# Altium PCB PCB-2-Layer_(1).PcbDoc (part 1 of 2)
Units mm, origin at the board's own origin, x right, y up, seen from the top; angles counter-clockwise.
Board outline 103.78 x 88.75 mm, 2 copper layers (Top Layer, Bottom Layer), stack 1.535 mm thick; 124 components, 78 nets, 479 pads, 495 vias.
Unrouted connection lines stored in the file: 106.
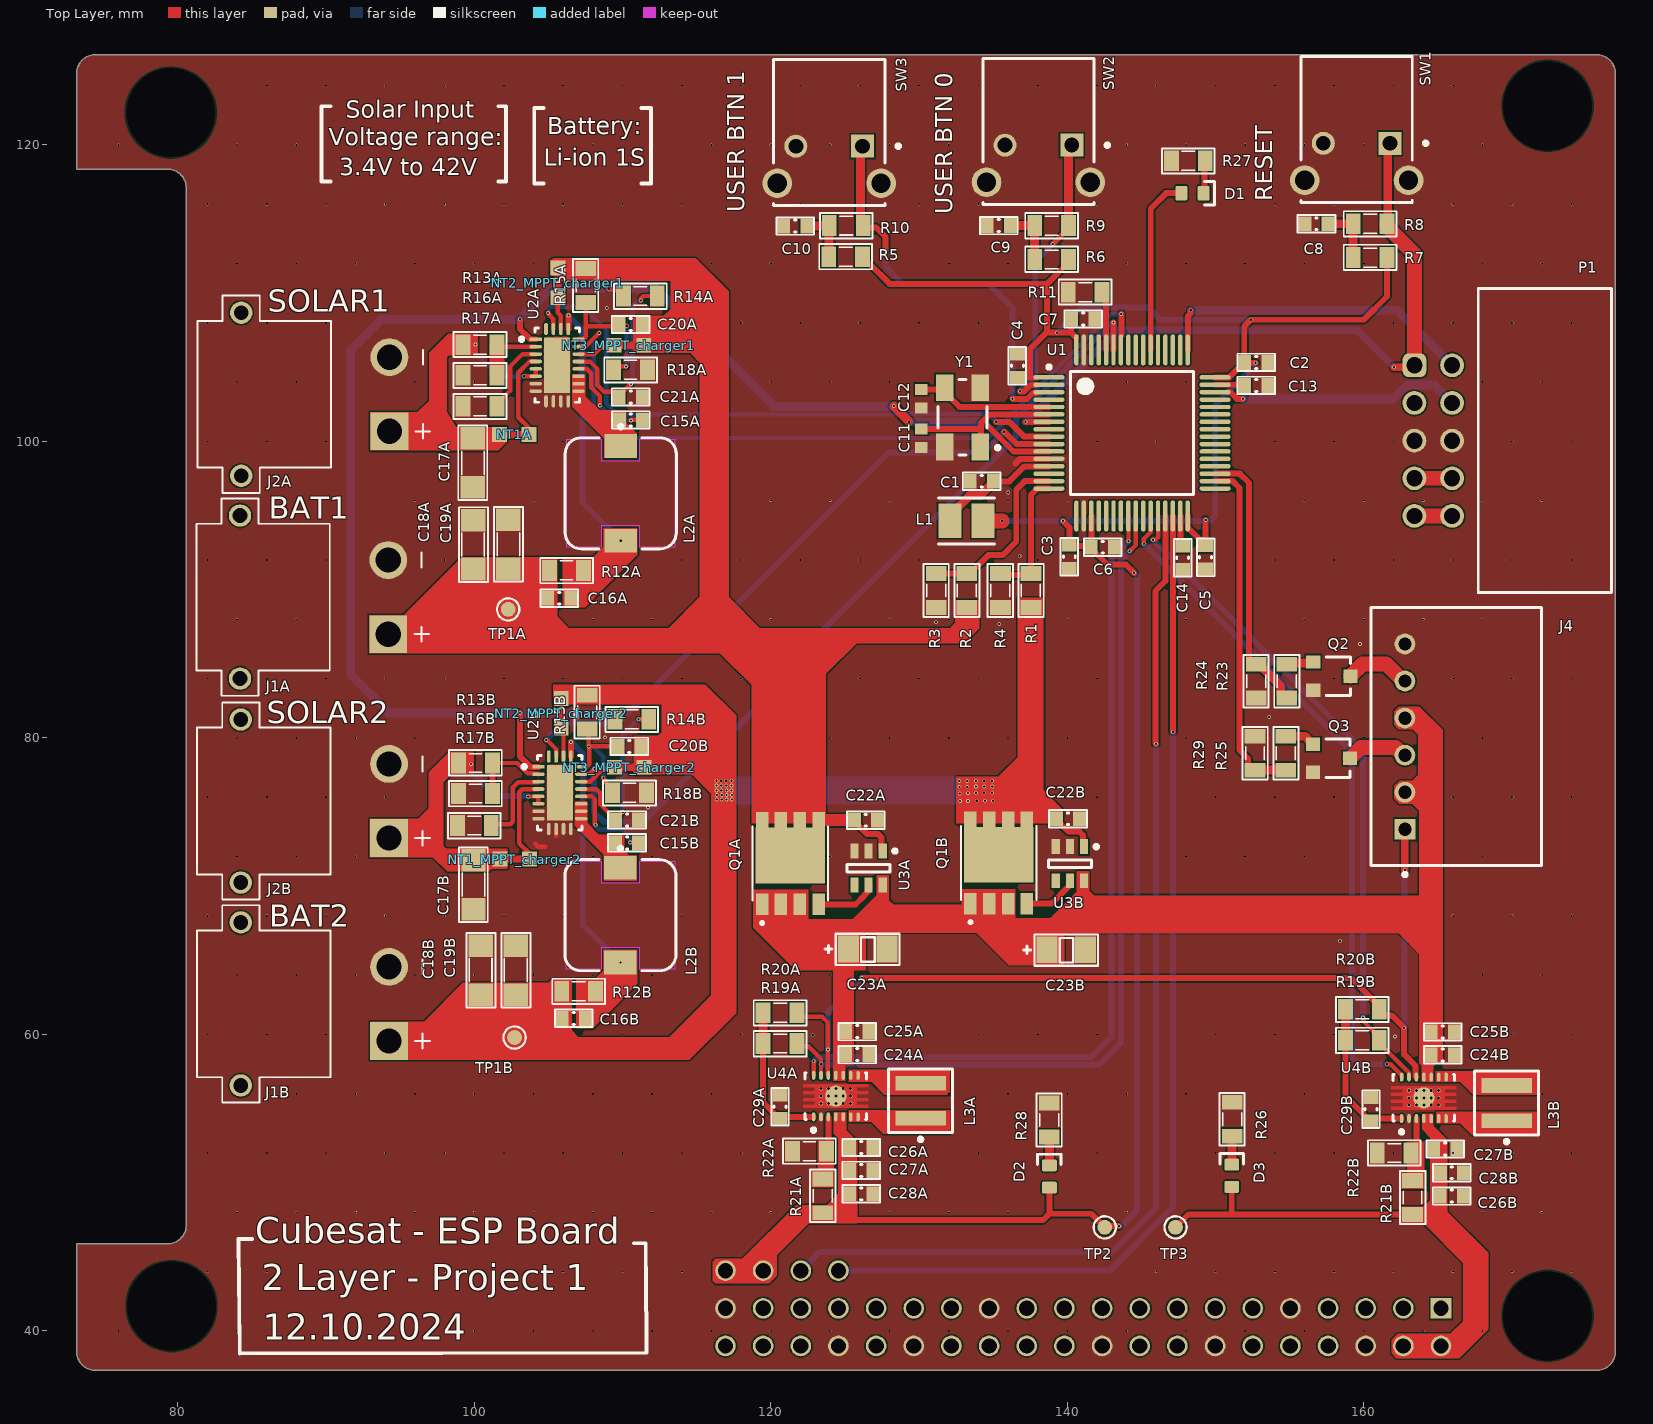
[diagram p0: Top Layer view]
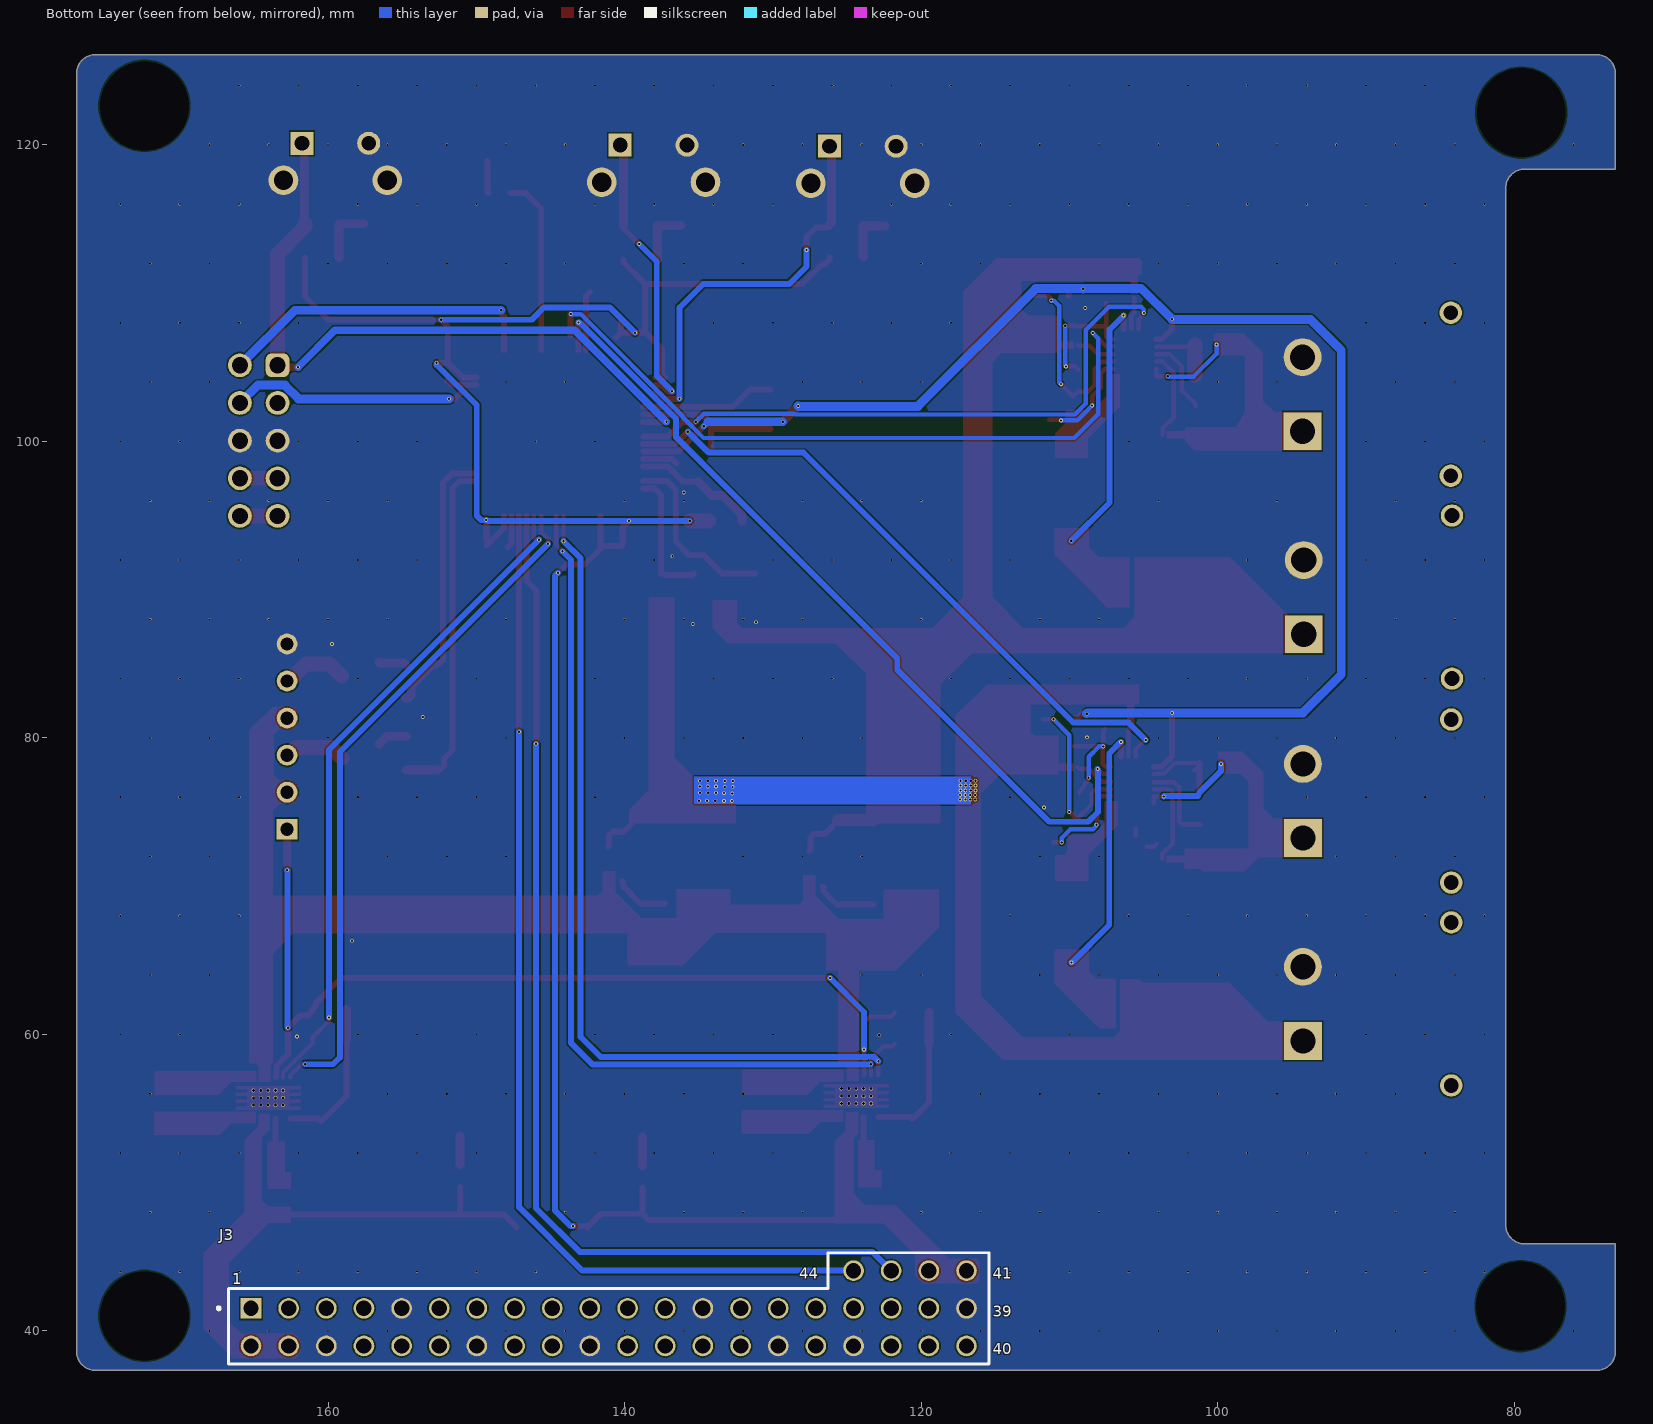
[diagram p1: Bottom Layer view, seen from below]
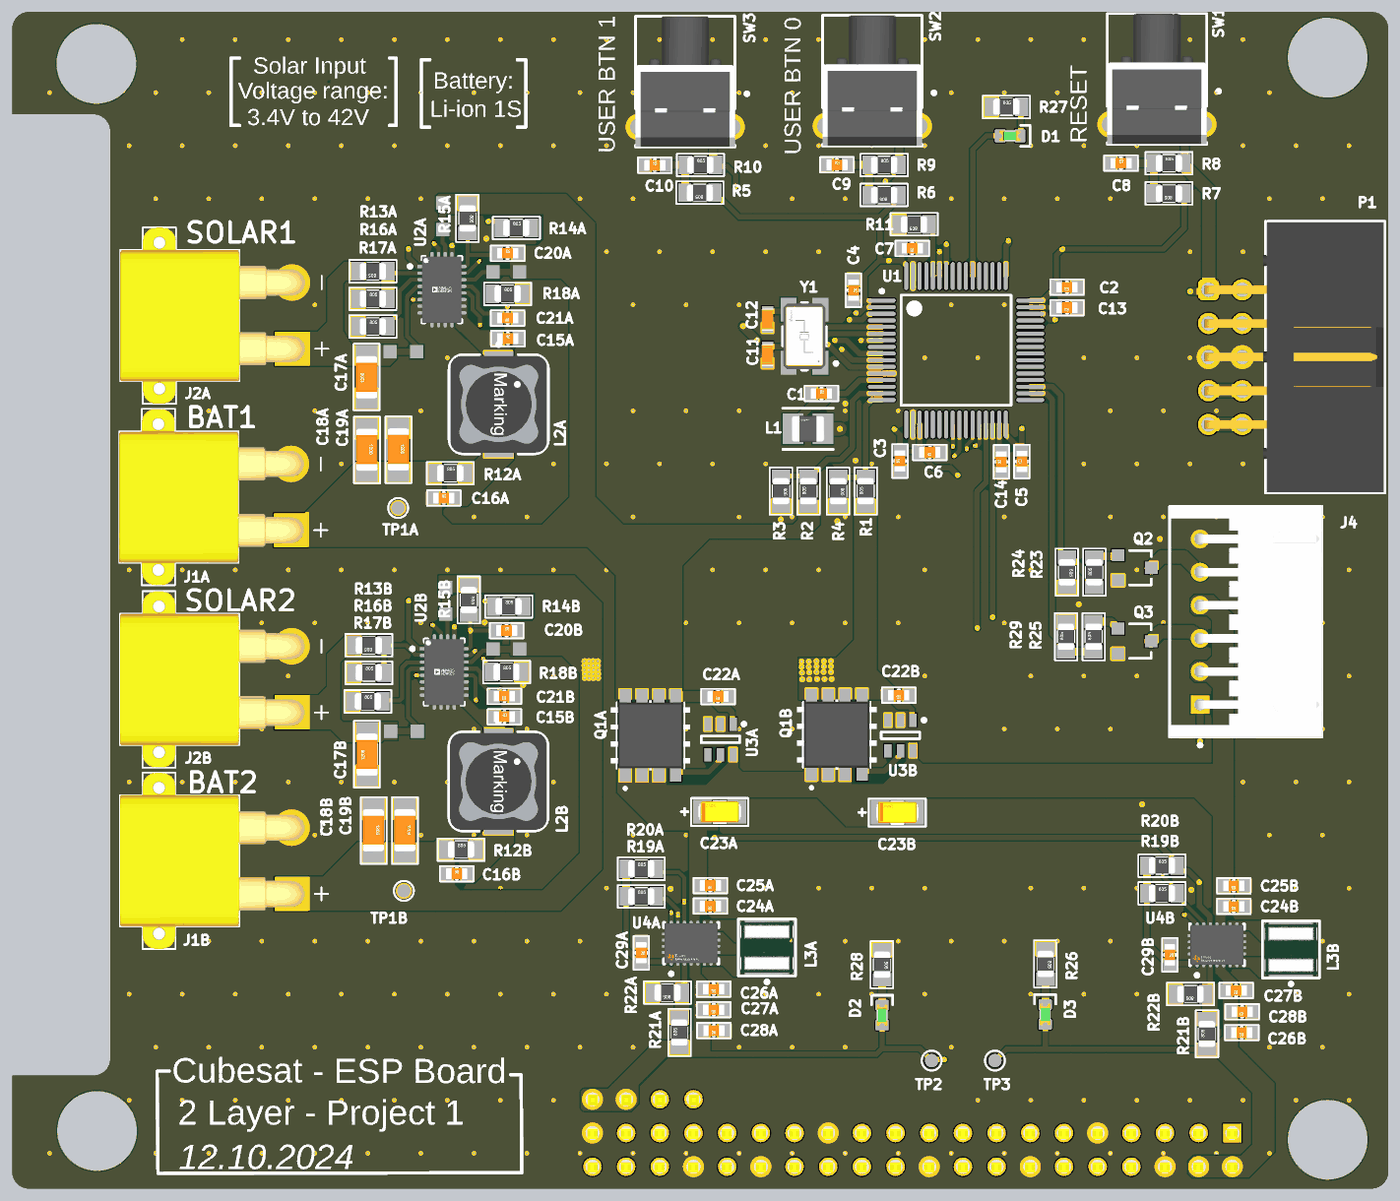
[diagram p3: 3D render of the assembled board from above, using the file's embedded part models]

## Layer stack, top to bottom
Top Solder: solder mask 0.0254, SM-001, Dk 4
Top Layer: signal copper 0.035
Dielectric 1: core 1.465, Core-043, Dk 4.3
Bottom Layer: signal copper 0.035
Bottom Solder: solder mask 0.0254, SM-001, Dk 4

## Board outline
73.177,38.608 73.177,45.847 cw(c73.203,45.847) 73.203,45.872 79.299,45.872 ccw(c79.299,47.142) 80.569,47.142 80.569,117.094 ccw(c79.299,117.094) 79.299,118.364 73.177,118.364 73.177,124.816 cw(c74.447,124.816) 74.447,126.086 175.692,126.086 cw(c175.692,124.816) 176.962,124.816 176.962,38.608 cw(c175.692,38.608) 175.692,37.338 74.447,37.338 cw(c74.447,38.608)

## Design rules (kind name [scope] priority, off if disabled: settings)
Clearance [All] p1: gap=0.1 ignorepadtopadclearanceinfootprint=TRUE
PlaneConnect [All] p1: planeconnectstyle=Direct reliefexpansion=0.508 reliefentries=4 reliefconductorwidth=0.254 reliefairgap=0.254
PolygonConnect [All] p1: connectstyle=Direct reliefconductorwidth=0.254 reliefentries=4 polygonreliefangle="90 Angle" airgapwidth=0.254
RoutingVias [All] p1: holewidth=0.15 width=0.25 viastyle="Through Hole" minholewidth=0.15 minwidth=0.25 maxholewidth=0.15 maxwidth=0.25
ShortCircuit [All] p1: allowed=TRUE
SolderMaskExpansion [All] p1: expansion=0.1 istentingtop=FALSE
SupplyNets "Schematic Supply Nets_6" [InNet('GND')] p1: voltage=0.000
SupplyNets "Schematic Supply Nets_5" [InNet('+3V3')] p2: voltage=0.000
SupplyNets "Schematic Supply Nets_4" [InNet('3V3_STLINK')] p3: voltage=0.000
SupplyNets "Schematic Supply Nets_3" [InNet('+3V3 VDDA')] p4: voltage=0.000
SupplyNets "Schematic Supply Nets_2" [InNet('5V_STLINK')] p5: voltage=0.000
SupplyNets "Schematic Supply Nets_1" [InNet('SENSE_ideal diode1')] p6: voltage=0.000
SupplyNets "Schematic Supply Nets" [InNet('+5V')] p7: voltage=0.000
UnRoutedNet [All] p1: checkbadconnections=TRUE
Width [All] p1: maxlimit=1 minlimit=0.3 preferedwidth=0.4 minimp=50.000000 maximp=50.000000 favimp=50.000000
27 further rules are at their usual default settings.

## Classes and differential pairs
channel class "Repeat(MPPT_charger,1, 2)": MPPT_charger1 MPPT_charger2
channel class "Repeat(ideal_diode,1 , 2)": "ideal diode1" "ideal diode2"
channel class buck_boost: "U_Buck - Boost Converter1" "U_Buck - Boost Converter2"
component class U_Microcontroller: C1 C2 C3 C4 C5 C6 C7 C8 C9 C10 C11 C12 C13 C14 L1 P1 R1 R2 R3 R4 R5 R6 R7 R8 R9 R10 R11 SW1 SW2 SW3 U1 Y1
component class "U_LEDs Connector": D1 D2 D3 J4 Q2 Q3 R23 R24 R25 R26 R27 R28 R29 TP2 TP3
component class "U_Buck - Boost Converter2": "C24_U_Buck - Boost Converter2" "C25_U_Buck - Boost Converter2" "C26_U_Buck - Boost Converter2" "C27_U_Buck - Boost Converter2" "C28_U_Buck - Boost Converter2" "C29_U_Buck - Boost Converter2" "L3_U_Buck - Boost Converter2" "R19_U_Buck - Boost Converter2" "R20_U_Buck - Boost Converter2" "R21_U_Buck - Boost Converter2" "R22_U_Buck - Boost Converter2" U4B
component class "U_Buck - Boost Converter1": "C24_U_Buck - Boost Converter1" "C25_U_Buck - Boost Converter1" "C26_U_Buck - Boost Converter1" "C27_U_Buck - Boost Converter1" "C28_U_Buck - Boost Converter1" "C29_U_Buck - Boost Converter1" "L3_U_Buck - Boost Converter1" "R19_U_Buck - Boost Converter1" "R20_U_Buck - Boost Converter1" "R21_U_Buck - Boost Converter1" "R22_U_Buck - Boost Converter1" U4A
component class "U_Board-to-board Connector": J3
component class MPPT_charger2: C15_MPPT_charger2 C16_MPPT_charger2 C17_MPPT_charger2 C18_MPPT_charger2 C19_MPPT_charger2 C20_MPPT_charger2 C21_MPPT_charger2 J1_MPPT_charger2 J2_MPPT_charger2 L2_MPPT_charger2 NT1_MPPT_charger2 NT2_MPPT_charger2 NT3_MPPT_charger2 R12_MPPT_charger2 R13_MPPT_charger2 R14_MPPT_charger2 R15_MPPT_charger2 R16_MPPT_charger2 R17_MPPT_charger2 R18_MPPT_charger2 TP1_MPPT_charger2 U2_MPPT_charger2
component class MPPT_charger1: C15_MPPT_charger1 C16_MPPT_charger1 C17_MPPT_charger1 C18_MPPT_charger1 C19_MPPT_charger1 C20_MPPT_charger1 C21_MPPT_charger1 J1_MPPT_charger1 J2_MPPT_charger1 L2_MPPT_charger1 NT1_MPPT_charger1 NT2_MPPT_charger1 NT3_MPPT_charger1 R12_MPPT_charger1 R13_MPPT_charger1 R14_MPPT_charger1 R15_MPPT_charger1 R16_MPPT_charger1 R17_MPPT_charger1 R18_MPPT_charger1 TP1_MPPT_charger1 U2_MPPT_charger1
component class "ideal diode2": "C22_ideal diode2" "C23_ideal diode2" "Q1_ideal diode2" "U3_ideal diode2"
component class "ideal diode1": "C22_ideal diode1" "C23_ideal diode1" "Q1_ideal diode1" "U3_ideal diode1"

## Components (designator, comment, footprint, x,y, rotation, side; value= is the part's Value field where it differs from the comment)
C1 "1u" CN-SMD-0603 134.214,97.307 r0 top value=33pF
C2 "4u7" CN-SMD-0603 152.73,105.326 r180 top value=33pF
C3 "100n" CN-SMD-0603 140.132,92.215 r90 top value=33pF
C4 "100n" CN-SMD-0603 136.627,105.092 r270 top value=33pF
C5 "100n" CN-SMD-0603 149.327,92.177 r90 top value=33pF
C6 "100n" CN-SMD-0603 142.384,92.862 r180 top value=33pF
C7 "100n" CN-SMD-0603 141.059,108.255 r180 top value=33pF
C8 "100n" CN-SMD-0603 156.802,114.681 r0 top value=33pF
C9 "100n" CN-SMD-0603 135.382,114.554 r0 top value=33pF
C10 "100n" CN-SMD-0603 121.64,114.522 r0 top value=33pF
C11 "20p" CAPC1608X90X30LL10T20 130.15,100.218 r90 top
C12 "20p" CAPC1608X90X30LL10T20 130.15,102.885 r90 top
C13 "2u2" CN-SMD-0603 152.73,103.776 r180 top value=33pF
C14 "2u2" CN-SMD-0603 147.777,92.151 r90 top value=33pF
C15A "100n" CN-SMD-0603 110.566,101.448 r0 top value=33pF (schematic designator C15)
C15B "100n" CN-SMD-0603 110.3,72.923 r0 top value=33pF (schematic designator C15)
C16A "1u" CN-SMD-0603 105.731,89.423 r0 top value=33pF (schematic designator C16)
C16B "1u" CN-SMD-0603 106.709,61.086 r0 top value=33pF (schematic designator C16)
C17A "10u" CN-SMD-1206 99.909,98.527 r90 top value=33pF (schematic designator C17)
C17B "10u" CN-SMD-1206 99.946,70.079 r90 top value=33pF (schematic designator C17)
C18A "22u" CN-SMD-1206 99.924,93.066 r270 top value=33pF (schematic designator C18)
C18B "22u" CN-SMD-1206 100.432,64.364 r270 top value=33pF (schematic designator C18)
C19A "22u" CN-SMD-1206 102.297,93.091 r270 top value=33pF (schematic designator C19)
C19B "22u" CN-SMD-1206 102.794,64.364 r270 top value=33pF (schematic designator C19)
C20A "10p" CN-SMD-0603 110.544,107.884 r0 top value=33pF (schematic designator C20)
C20B "10p" CN-SMD-0603 110.465,79.425 r0 top value=33pF (schematic designator C20)
C21A "1u" CN-SMD-0603 110.541,102.997 r180 top value=33pF (schematic designator C21)
C21B "1u" CN-SMD-0603 110.3,74.473 r180 top value=33pF (schematic designator C21)
C22A "100n" CN-SMD-0603 126.416,74.447 r180 top value=33pF (schematic designator C22)
C22B "100n" CN-SMD-0603 140.043,74.549 r180 top value=33pF (schematic designator C22)
C23A "22u" TANTALUM_SMD_1206 126.536,65.761 r180 top (schematic designator C23)
C23B "22u" TANTALUM_SMD_1206 139.929,65.71 r180 top (schematic designator C23)
C24A "10u" CN-SMD-0603 125.832,58.642 r180 top value=33pF (schematic designator C24)
C24B "10u" CN-SMD-0603 165.315,58.624 r180 top value=33pF (schematic designator C24)
C25A "10u" CN-SMD-0603 125.832,60.192 r180 top value=33pF (schematic designator C25)
C25B "10u" CN-SMD-0603 165.315,60.174 r180 top value=33pF (schematic designator C25)
C26A "22u" CN-SMD-0603 126.086,52.375 r180 top value=33pF (schematic designator C26)
C26B "22u" CN-SMD-0603 165.913,49.098 r180 top value=33pF (schematic designator C26)
C27A "22u" CN-SMD-0603 126.086,50.825 r180 top value=33pF (schematic designator C27)
C27B "22u" CN-SMD-0603 165.489,52.273 r180 top value=33pF (schematic designator C27)
C28A "22u" CN-SMD-0603 126.098,49.251 r180 top value=33pF (schematic designator C28)
C28B "22u" CN-SMD-0603 165.938,50.673 r180 top value=33pF (schematic designator C28)
C29A "100n" CN-SMD-0603 120.625,55.118 r270 top value=33pF (schematic designator C29)
C29B "100n" CN-SMD-0603 160.486,54.964 r270 top value=33pF (schematic designator C29)
D1 "GREEN" LED_0603_GREEN 148.438,116.74 r180 top
D2 "GREEN" LED_0603_GREEN 138.786,50.419 r270 top
D3 "GREEN" LED_0603_GREEN 151.086,50.47 r270 top
J1A "XT30PW-M" AMASS_XT30PW-M 84.201,89.496 r90 top (schematic designator J1)
J1B "XT30PW-M" AMASS_XT30PW-M 84.252,62.06 r90 top (schematic designator J1)
J2A "XT30PW-M" AMASS_XT30PW-M 84.277,103.177 r90 top (schematic designator J2)
J2B "XT30PW-M" AMASS_XT30PW-M 84.252,75.741 r90 top (schematic designator J2)
J3 "RPI GPIO Connector + 4 Cubesat pins" "header 44 pin" 141.072,40.259 r180 bottom
J4 "S6B-XH-A (LF)(SN)" FP-S6B-XH-A_LF_SN-MFG 166.218,80.086 r270 top
L1 "4u7" FP-LQM2HPN_G0-IPC_A 133.198,94.64 r180 top
L2A "10u" WE-PD_7345 109.873,96.495 r270 top (schematic designator L2)
L2B "10u" WE-PD_7345 109.855,68.046 r270 top (schematic designator L2)
L3A "1u5" FP-XFL4020-MFG 130.099,55.524 r90 top (schematic designator L3)
L3B "1u5" FP-XFL4020-MFG 169.621,55.372 r90 top (schematic designator L3)
NT1_MPPT_charger2 "NetTie" NETTIE_SMD 102.729,71.831 r0 top net-tie (schematic designator NT1)
NT1A "NetTie" NETTIE_SMD 102.692,100.457 r0 top net-tie (schematic designator NT1)
NT2_MPPT_charger1 "NetTie" NETTIE_SMD 105.639,110.684 r90 top net-tie (schematic designator NT2)
NT2_MPPT_charger2 "NetTie" NETTIE_SMD 105.859,81.663 r90 top net-tie (schematic designator NT2)
NT3_MPPT_charger1 "NetTie" NETTIE_SMD 110.43,106.482 r0 top net-tie (schematic designator NT3)
NT3_MPPT_charger2 "NetTie" NETTIE_SMD 110.449,78.024 r0 top net-tie (schematic designator NT3)
P1 "61201021721" 61201021721 172.212,100.051 r90 top
Q1A "TPCA8120" TPCA8120 121.316,71.518 r90 top (schematic designator Q1)
Q1B "TPCA8120" TPCA8120 135.365,71.572 r90 top (schematic designator Q1)
Q2 "AO3400" AO-SOT23-3_V 157.836,84.166 r270 top
Q3 "AO3400" AO-SOT23-3_V 157.82,78.625 r270 top
R1 "10K" RES-SMD-0805 137.541,89.941 r90 top
R2 "10K" RES-SMD-0805 133.222,89.941 r90 top
R3 "33K" RES-SMD-0805 131.165,89.941 r270 top
R4 "33K" RES-SMD-0805 135.483,89.941 r270 top
R5 "10K" RES-SMD-0805 125.044,112.446 r180 top
R6 "10K" RES-SMD-0805 138.938,112.268 r180 top
R7 "10K" RES-SMD-0805 160.42,112.395 r180 top
R8 "100R" RES-SMD-0805 160.42,114.681 r0 top
R9 "100R" RES-SMD-0805 138.938,114.554 r0 top
R10 "100R" RES-SMD-0805 125.086,114.554 r0 top
R11 "10K" RES-SMD-0805 141.199,110.058 r180 top
R12A "0.025R" RES-SMD-0805 106.223,91.297 r0 top (schematic designator R12)
R12B "0.025R" RES-SMD-0805 107.036,62.915 r0 top (schematic designator R12)
R13A "10K" RES-SMD-0805 100.381,106.52 r180 top (schematic designator R13)
R13B "10K" RES-SMD-0805 100.076,78.308 r180 top (schematic designator R13)
R14A "10K" RES-SMD-0805 111.201,109.804 r0 top (schematic designator R14)
R14B "10K" RES-SMD-0805 110.622,81.255 r0 top (schematic designator R14)
R15A "1M 1%" RES-SMD-0805 107.518,110.515 r270 top (schematic designator R15)
R15B "1M 1%" RES-SMD-0805 107.62,81.737 r270 top (schematic designator R15)
R16A "10K" RES-SMD-0805 100.381,104.456 r0 top (schematic designator R16)
R16B "10K" RES-SMD-0805 100.076,76.251 r0 top (schematic designator R16)
R17A "60K4" RES-SMD-0805 100.381,102.367 r0 top (schematic designator R17)
R17B "60K4" RES-SMD-0805 100,74.092 r0 top (schematic designator R17)
R18A "309K 1%" RES-SMD-0805 110.541,104.826 r0 top (schematic designator R18)
R18B "309K 1%" RES-SMD-0805 110.465,76.302 r0 top (schematic designator R18)
R19A "10K" RES-SMD-0805 120.625,59.385 r0 top (schematic designator R19)
R19B "10K" RES-SMD-0805 159.892,59.615 r0 top (schematic designator R19)
R20A "10K" RES-SMD-0805 120.625,61.468 r0 top (schematic designator R20)
R20B "10K" RES-SMD-0805 159.892,61.698 r0 top (schematic designator R20)
R21A "1M 1%" RES-SMD-0805 123.493,49.117 r90 top (schematic designator R21)
R21B "1M 1%" RES-SMD-0805 163.28,49.002 r90 top (schematic designator R21)
R22A "180k/110k 1%" RES-SMD-0805 122.602,52.115 r180 top (schematic designator R22)
R22B "180k/110k 1%" RES-SMD-0805 162.043,52 r180 top (schematic designator R22)
R23 "10K" RES-SMD-0805 154.788,83.824 r90 top
R24 "10K" RES-SMD-0805 152.73,83.824 r270 top
R25 "10K" RES-SMD-0805 154.733,78.967 r90 top
R26 "1K" RES-SMD-0805 151.113,54.28 r270 top
R27 "1K" RES-SMD-0805 148.158,118.923 r0 top
R28 "1K" RES-SMD-0805 138.786,54.229 r270 top
R29 "10K" RES-SMD-0805 152.65,78.967 r90 top
SW1 "EVQ-PF006K" FP-EVQ-PF006K-MFG 159.512,121.031 r180 top
SW2 "EVQ-PF006K" FP-EVQ-PF006K-MFG 138.049,120.904 r180 top
SW3 "EVQ-PF006K" FP-EVQ-PF006K-MFG 123.937,120.835 r180 top
TP1A "TestPoint" "Test Point 1 MM" 102.286,88.671 r90 top (schematic designator TP1)